# Altium PCB RTD_12POS_WPSv3.PcbDoc (part 4 of 4)
Units mm, origin at the board's own origin, x right, y up, seen from the top; angles counter-clockwise.
Board outline 122.3 x 122.04 mm, 2 copper layers (Top Layer, Bottom Layer); 327 components, 290 nets, 1265 pads, 672 vias.
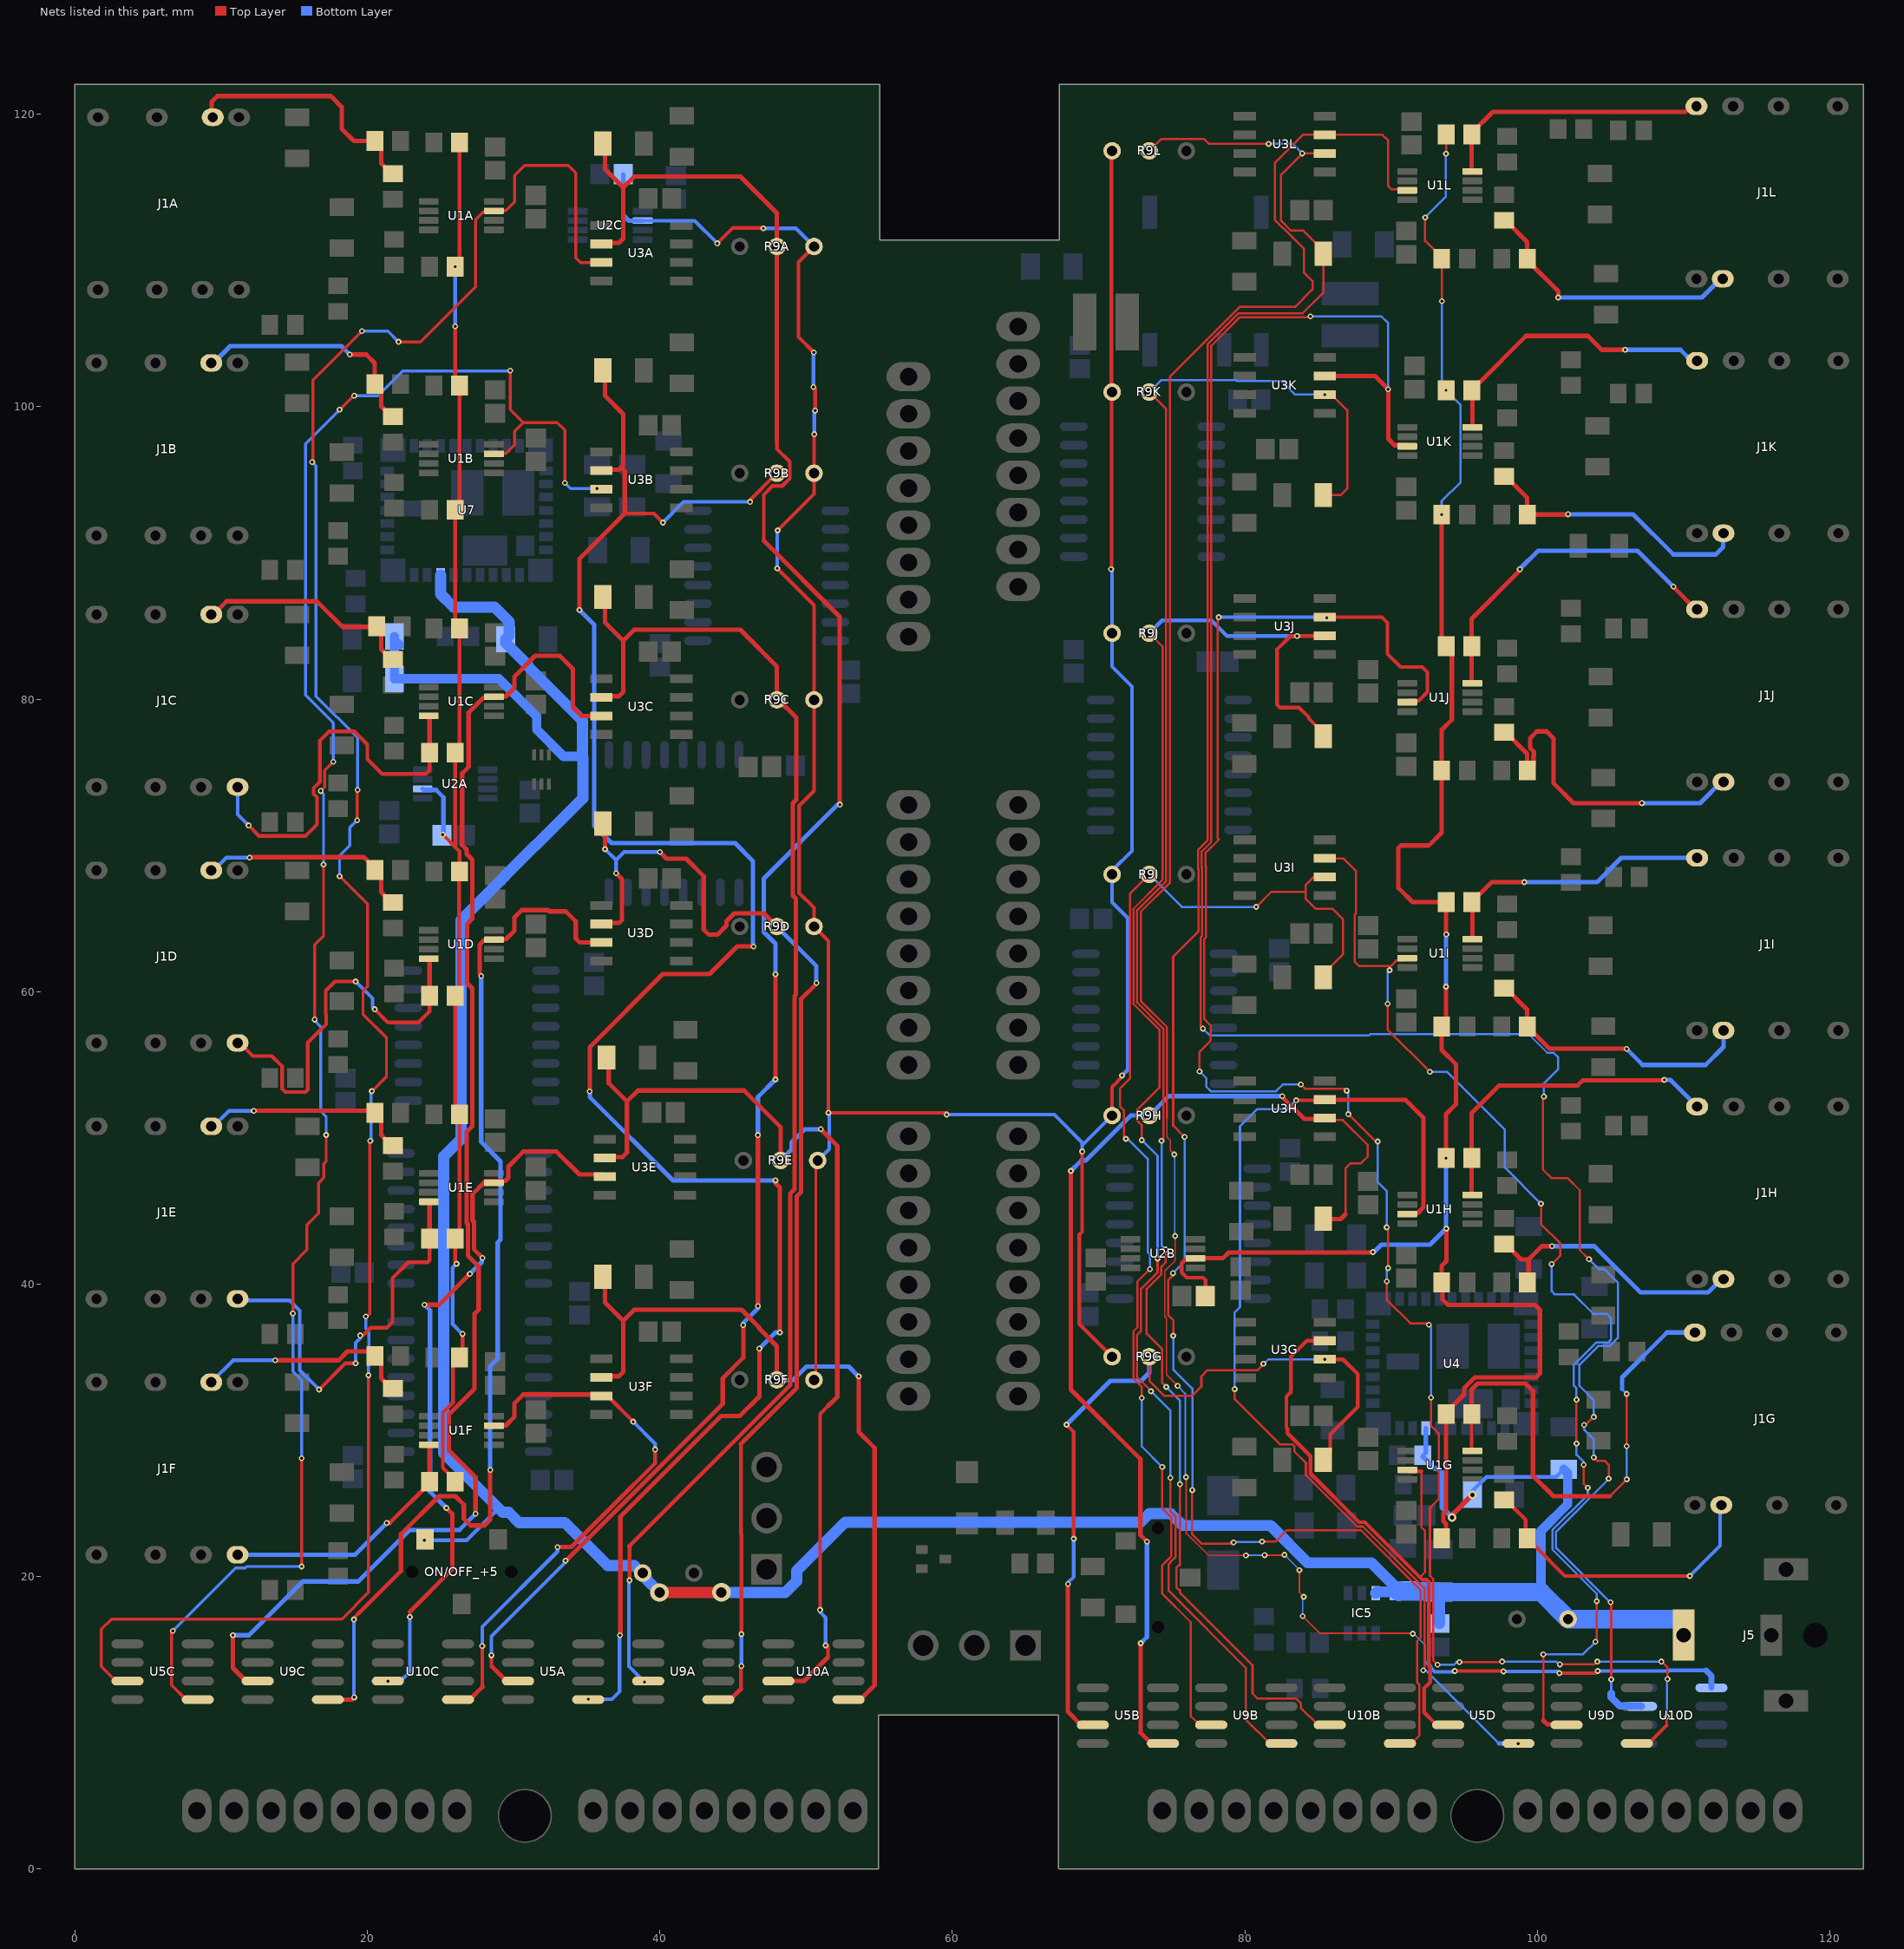
[diagram p4: the nets of this part, all layers, seen from the top]

## Via types
v1: diameter 0.4, hole 0.2, Top Layer to Bottom Layer, tented both sides, 569 vias
v2: diameter 0.6, hole 0.3, Top Layer to Bottom Layer, 59 vias
v3: diameter 0.6, hole 0.3, Top Layer to Bottom Layer, tented both sides, 42 vias
v4: diameter 1.27, hole 0.711, Top Layer to Bottom Layer, 2 vias

## Nets (pads, with @x,y where several pads share a name; then routed paths per layer and width w, separated by ;. In a path a pad name is that pad's centre, name@x,y a point inside that pad or via, vN(x,y) a via of type N, cw(c..) or ccw(c..) an arc to the next point about the centre after c; other vN are vias at no path point) (continued)
RTD+3: J1C.3 R2C.1 U1C.4 | length 27.8
  Top Layer w0.254: J1C.3@11.125,74 J1C.3@11.275,74 ; v1(11.875,71.375) 12.602,70.648 15.765,70.648 16.554,71.437 16.554,73.303 16.325,73.532 16.325,73.928 16.748,74.35 16.748,77.165 17.383,77.8 19.117,77.8 20,76.917 20,75.9 21,74.9 24,74.9 24.25,75.15 R2C.1@24.25,76.345
  Top Layer w0.305: U1C.4@24.2,78.87 24.25,78.82 R2C.1@24.25,76.345
  Bottom Layer w0.254: J1C.3@11.125,74 11.125,72.125 v1(11.875,71.375)
RTD+4: J1D.3 R2D.1 U1D.4 | length 27.3
  Top Layer w0.254: J1D.3@11.125,56.5 11.275,56.5 12.171,55.604 13.462,55.604 14.177,54.89 14.177,53.356 14.385,53.148 15.765,53.148 15.927,53.31 15.927,56.534 16.549,57.156 16.555,57.156 17.177,57.778 17.177,58.422 17.148,58.451 17.148,60.065 17.783,60.7 v1(19.2,60.7) ; v1(20.5,58.8) 21.4,57.9 23.5,57.9 24.25,58.65 R2D.1@24.25,59.73
  Top Layer w0.305: U1D.4@24.2,62.255 24.25,62.205 R2D.1@24.25,59.73
  Bottom Layer w0.254: v1(19.2,60.7) 20.357,59.542 20.357,58.943 v1(20.5,58.8)
RTD+5: J1E.3 R2E.1 U1E.4 | length 28.5
  Top Layer w0.254: v1(16.7,32.8) 18.5,34.6 v1(19.2,34.6) ; v1(19.5,36.5) 19.7,36.5 20.223,37.023 21.323,37.023 21.723,37.423 21.723,40.423 22.8,41.5 24.1,41.5 24.25,41.65 R2E.1@24.25,43.115
  Top Layer w0.305: U1E.4@24.2,45.64 24.25,45.59 R2E.1@24.25,43.115
  Bottom Layer w0.254: J1E.3@11.125,39 11.231,38.894 14.68,38.894 15.377,38.197 15.377,34.123 v1(16.7,32.8) ; v1(19.2,34.6) 19.2,35.998 19.5,36.298 v1(19.5,36.5)
RTD+6: J1F.3 R2F.1 U1F.4 | length 17.8
  Top Layer w0.305: v1(21.326,23.676) 21.526,23.676 24.25,26.4 R2F.1@24.25,26.5 24.25,28.975 U1F.4@24.2,29.025
  Bottom Layer w0.305: J1F.3@11.125,21.5 11.127,21.502 19.153,21.502 v1(21.326,23.676)
RTD+7: J1G.3 R2G.1 U1G.4 | length 35.4
  Top Layer w0.15: 104.95,25.5 v1(106.112,26.662) ; v1(106.1,28.925) v1(106.1,32.5)
  Top Layer w0.254: R2G.1@95.505,31.13 95.505,28.655 U1G.4@95.555,28.605
  Top Layer w0.305: R2G.1@95.505,31.13 95.505,32.805 95.92,33.22 99.18,33.22 99.7,32.7 99.7,26.9 101.1,25.5 104.95,25.5
  Bottom Layer w0.15: 105.8,32.825 106.1,32.525 v1(106.1,32.5) ; v1(106.1,28.925) 106.112,28.913 v1(106.112,26.662)
  Bottom Layer w0.305: 105.8,32.825 105.798,32.827 105.798,33.632 108.865,36.7 J1G.3@110.775,36.7
RTD+8: J1H.3 R2H.1 U1H.4 | length 22.7
  Top Layer w0.305: U1H.4@95.555,46.104 95.505,46.154 R2H.1@95.505,48.629 95.5,48.634 95.5,51.7 97.398,53.598 102.754,53.598 103.104,53.948 108.648,53.948 v1(108.674,53.974)
  Bottom Layer w0.305: v1(108.674,53.974) 109.101,53.974 J1H.3@110.925,52.15
RTD+9: J1I.3 R2I.1 U1I.4 | length 19.3
  Top Layer w0.305: U1I.4@95.555,63.603 95.555,66.078 R2I.1@95.505,66.128 95.505,66.228 95.928,66.651 96.028,66.651 96.877,67.5 v1(99.1,67.5)
  Bottom Layer w0.305: v1(99.1,67.5) 104.085,67.5 105.735,69.15 J1I.3@110.925,69.15
RTD+10: J1J.3 R2J.1 U1J.4 | length 23.6
  Top Layer w0.305: U1J.4@95.555,81.102 95.505,81.152 R2J.1@95.505,83.627 95.505,85.505 98.8,88.8 v1(98.8,88.9) ; v1(109.3,87.7) 109.3,87.674 110.824,86.15 J1J.3@110.925,86.15
  Bottom Layer w0.305: v1(98.8,88.9) 100.05,90.15 106.85,90.15 v1(109.3,87.7) ; J1J.3@110.775,86.15 J1J.3@110.925,86.15
RTD+11: J1K.3 R2K.1 U1K.4 | length 20.3
  Top Layer w0.305: U1K.4@95.555,98.601 95.555,101.076 R2K.1@95.505,101.126 95.505,101.226 95.928,101.649 96.028,101.649 99.224,104.845 103.455,104.845 104.402,103.898 105.998,103.898 v1(106,103.9)
  Bottom Layer w0.305: v1(106,103.9) 109.783,103.9 110.533,103.15 J1K.3@110.925,103.15
RTD+12: J1L.3 R2L.1 U1L.4 | length 18.8
  Top Layer w0.305: U1L.4@95.555,116.1 95.505,116.15 R2L.1@95.505,118.625 95.505,118.725 96.951,120.171 110.108,120.171 110.488,120.55 J1L.3@110.88,120.55
RTD-1: J1A.2 R4A.1 R5A.1 | length 17.3
  Top Layer w0.305: J1A.2@9.325,119.8 9.357,119.832 9.357,120.857 9.75,121.25 17.5,121.25 18.25,120.5 18.25,119 19.075,118.175 R5A.1@20.525,118.175 20.948,117.752 20.948,116.652 21.65,115.95 R4A.1@21.75,115.95
RTD-2: J1B.2 R4B.1 R5B.1 | length 16.4
  Top Layer w0.305: v1(18.8,103.575) 19.925,103.575 20.5,103 20.5,101.585 R5B.1@20.525,101.56 20.948,101.137 20.948,100.037 21.65,99.335 R4B.1@21.75,99.335
  Bottom Layer w0.305: J1B.2@9.325,103 9.475,103 10.625,104.15 18.225,104.15 v1(18.8,103.575)
RTD-3: J1C.2 R4C.1 R5C.1 | length 14.9
  Top Layer w0.305: J1C.2@9.475,85.8 10.377,86.702 16.548,86.702 18.305,84.945 20.525,84.945 20.948,84.522 20.948,83.422 21.65,82.72 R4C.1@21.75,82.72
RTD-4: J1D.2 R4D.1 R5D.1 | length 14.8
  Top Layer w0.305: v1(11.945,69.177) 11.97,69.202 19.753,69.202 20.525,68.43 R5D.1@20.525,68.33 20.948,67.907 20.948,66.807 21.65,66.105 R4D.1@21.75,66.105
  Bottom Layer w0.254: J1D.2@9.325,68.3 9.475,68.3 10.352,69.177 v1(11.945,69.177)
RTD-5: J1E.2 R4E.1 R5E.1 | length 14.5
  Top Layer w0.305: J1E.2@9.325,50.8 J1E.2@9.357,50.832 ; v1(12.233,51.857) 20.383,51.857 R5E.1@20.525,51.715 20.948,51.292 20.948,50.192 21.65,49.49 R4E.1@21.75,49.49
  Bottom Layer w0.254: J1E.2@9.325,50.8 9.475,50.8 10.532,51.857 v1(12.233,51.857)
RTD-6: J1F.2 R4F.1 R5F.1 | length 15.1
  Top Layer w0.305: J1F.2@9.325,33.3 J1F.2@9.475,33.3 ; v1(13.7,34.8) 18.035,34.8 18.637,35.402 20.223,35.402 R5F.1@20.525,35.1 20.948,34.677 20.948,33.577 21.65,32.875 R4F.1@21.75,32.875
  Bottom Layer w0.254: J1F.2@9.325,33.3 10.825,34.8 v1(13.7,34.8)
RTD-7: J1G.2 R4G.1 R5G.1 | length 21.3
  Top Layer w0.254: R4G.1@97.73,25.255 97.83,25.255 99.2,23.885 99.2,22.735 R5G.1@99.305,22.63 99.305,22.53 99.753,22.082 99.853,22.082 101.885,20.05 v1(110.425,20.05)
  Bottom Layer w0.254: v1(110.425,20.05) 112.5,22.125 112.5,24.825 J1G.2@112.575,24.9
RTD-8: J1H.2 R4H.1 R5H.1 | length 19.1
  Top Layer w0.305: R4H.1@97.73,42.754 97.83,42.754 98.884,41.7 99.4,41.7 ; R5H.1@99.305,40.129 99.4,40.224 99.4,41.7 ; v1(101,42.6) 100.3,42.6 99.4,41.7
  Bottom Layer w0.305: v1(101,42.6) 103.9,42.6 107.052,39.448 111.673,39.448 112.575,40.35 J1H.2@112.725,40.35
RTD-9: J1I.2 R4I.1 R5I.1 | length 19.5
  Top Layer w0.305: R4I.1@97.73,60.253 97.83,60.253 99.3,58.783 99.3,57.533 99.728,57.105 99.828,57.105 100.831,56.102 106.098,56.102 v1(106.1,56.1)
  Bottom Layer w0.305: v1(106.1,56.1) 107.202,54.998 111.498,54.998 112.725,56.225 J1I.2@112.725,57.35
RTD-10: J1J.2 R4J.1 R5J.1 | length 23.9
  Top Layer w0.305: R4J.1@97.73,77.752 97.83,77.752 99.3,76.282 99.3,75.032 99.728,75.46 99.728,76.066 99.755,76.094 99.755,76.41 99.498,76.668 99.498,77.332 99.968,77.802 100.632,77.802 101.102,77.332 101.102,75.802 101.098,75.798 101.098,74.268 102.465,72.9 v1(107.15,72.9)
  Bottom Layer w0.305: v1(107.15,72.9) 111.125,72.9 112.575,74.35 J1J.2@112.725,74.35
RTD-11: J1K.2 R4K.1 R5K.1 | length 19.1
  Top Layer w0.305: R4K.1@97.73,95.251 97.83,95.251 99.3,93.781 99.3,92.631 R5K.1@99.305,92.626 102.076,92.626 v1(102.1,92.65) ; J1K.2@112.7,91.325 J1K.2@112.725,91.35
  Bottom Layer w0.305: v1(102.1,92.65) 106.55,92.65 109.3,89.9 112.2,89.9 112.7,90.4 112.7,91.325 J1K.2@112.725,91.35
RTD-12: J1L.2 R4L.1 R5L.1 | length 18.8
  Top Layer w0.305: R4L.1@97.73,112.75 97.83,112.75 99.305,111.275 R5L.1@99.305,110.125 99.305,110.025 101.424,107.906 v1(101.424,107.476) ; J1L.2@112.53,108.75 J1L.2@112.68,108.75
  Bottom Layer w0.305: v1(101.424,107.476) 111.256,107.476 112.53,108.75 J1L.2@112.68,108.75
Vext: C7.1 C8.1 C9.1 C29.1 C30.1 C31.1 C32.2 C38.2 C39.2 C40.2 IC5.3 J5.1 ON/OFF_+5.3 R12.2 U4.26 U7.26 | length 219.4
  Top Layer w0.35: v2(94.175,24.05) 94.175,24.225 v2(95.55,25.6)
  Top Layer w0.762: v4(39.981,18.919) 44.194,18.919 v4(44.2,18.925)
  Bottom Layer w0.254: v1(23.9,22.5) 26.8,22.5 28.7,24.4 29.25,24.4 ; R12.2@92.175,28.2 R12.2@92.175,28.3 R12.2@92.375,28.5 ; v2(95.55,25.6) 95.55,25.85 96.527,26.827 101.277,26.827 C8.1@101.8,27.35
  Bottom Layer w0.35: R12.2@92.175,28.2 92.982,27.393 93.192,27.393 93.475,27.11 93.475,24.75 v2(94.175,24.05) ; R12.2@92.375,28.5 U4.26@92.375,30.145
  Bottom Layer w0.635: C31.1@21.85,84.3 C31.1@21.85,84.05 ; C31.1@22.183,83.717 C31.1@21.85,84.05 ; 34.7,76.1 33.4,76.1 31.57,77.93 31.57,78.83 29,81.4 C30.1@21.85,81.4 C31.1@21.85,84.05 ; 100.25,18.95 100.25,23.125 102.075,24.95 102.075,27.075 C8.1@101.8,27.35
  Bottom Layer w0.762: U7.26@25,88.5 25,87.2 25.9,86.3 28.7,86.3 29.7,85.3 C32.2@29.7,84.375 ; C32.2@29.45,84.1 29.45,83.85 30.964,82.336 30.964,82.261 34.7,78.525 34.7,76.1 34.731,76.069 34.731,73.229 31.49,69.988 31.463,69.988 29.431,67.956 29.431,67.931 26.4,64.9 26.4,49.928 25.217,48.745 25.217,28.433 29.25,24.4 29.662,24.4 30.362,23.7 33.5,23.7 36.435,20.765 38.265,20.765 39.1,19.93 39.1,19.8 v4(39.981,18.919) ; v4(44.2,18.925) 44.206,18.919 48.57,18.919 49.347,19.697 49.347,20.397 52.669,23.719 72.857,23.719 73.463,24.325 74.926,24.325 75.751,23.5 81.749,23.5 84.296,20.953 88.647,20.953 90.55,19.05 C39.2@90.8,19.05 C39.2@90.85,19 ; IC5.3@88.95,18.875 88.95,18.881 89.031,18.962 C39.2@90.535,18.962 ; C38.2@93.25,19 C38.2@93.3,18.95 C40.2@93.3,16.8 ; J5.1@109.631,17.1 110,16.731 J5.1@110,16
  Bottom Layer w1.27: C39.2@90.535,18.962 90.535,19.035 C39.2@90.55,19.05 ; C39.2@90.85,19 C38.2@93.25,19 ; C38.2@93.3,18.95 100.25,18.95 C7.1@102.1,17.1 J5.1@109.631,17.1
Vref1: C5A.2 R1A.2 R1B.2 R1C.2 R1D.2 R1E.2 R1F.2 R2A.2 R2B.2 R2C.2 R2D.2 R2E.2 R2F.2 U2A.6 | length 99.5
  Top Layer w0.254: v1(25.15,70.75) 26,69.9 ; R2F.2@26,26.5 26,26.6 25.152,27.448 25.152,31.209 25.852,31.909 25.852,34.552 R1F.2@26.3,35 26.5,35.2 v1(26.5,36.6) ; v1(26,105.5) 26,101.76 R1B.2@26.3,101.46 26.3,93.26 R2B.2@26,92.96 26,85.145 R1C.2@26.3,84.845 26.3,76.645 R2C.2@26,76.345 26,69.9 ; v1(26,109.575) 26.3,109.875 R1A.2@26.3,118.075 ; v1(26.1,41.4) 26,41.4 R2E.2@26,43.115 26.3,43.415 R1E.2@26.3,51.615 26,51.915 R2D.2@26,59.73 26.264,59.994 26.264,68.194 R1D.2@26.3,68.23 26.3,69.6 26,69.9
  Bottom Layer w0.254: v1(26,105.5) v1(26,109.575) ; v1(26.1,41.4) 25.825,41.125 25.825,37.275 v1(26.5,36.6)
  Bottom Layer w0.305: U2A.6@23.775,73.875 23.848,73.802 24.698,73.802 25.2,73.3 25.2,70.8 v1(25.15,70.75)
Vref2: C5B.2 R1G.2 R1H.2 R1I.2 R1J.2 R1K.2 R1L.2 R2G.2 R2H.2 R2I.2 R2J.2 R2K.2 R2L.2 U2B.6 | length 139
  Top Layer w0.15: v1(92.325,112.95) 92.325,111.355 93.455,110.225 R1L.2@93.455,110.125 93.475,110.105 v1(93.475,107.225) ; v1(93.75,117.3) 93.755,117.305 R2L.2@93.755,118.625
  Top Layer w0.254: U2B.6@76.625,41.775 76.527,41.677 75.914,41.677 75.673,41.436 75.673,40.814 76.037,40.45 77.15,40.45 77.3,40.3 C5B.2@77.3,39.2
  Top Layer w0.305: U2B.6@76.625,41.775 78.497,41.775 78.897,42.175 88.727,42.175 v1(88.756,42.203) ; R1G.2@93.455,22.63 93.748,22.922 93.748,23.625 93.573,23.8 93.573,24.3 93.748,24.475 93.748,31.122 R2G.2@93.755,31.13 93.755,31.23 95,32.475 95,32.9 95.725,33.625 99.9,33.625 100.175,33.9 100.175,38.25 99.85,38.575 93.9,38.575 93.525,38.95 93.525,40.059 R1H.2@93.455,40.129 93.455,41.261 93.775,41.581 v1(93.775,43.8) ; v1(93.455,92.626) 93.455,83.927 R2J.2@93.755,83.627 94.15,83.232 94.15,78.6 93.455,77.905 R1J.2@93.455,75.127 93.455,70.883 92.574,70.002 91.05,70.002 91.048,70 90.679,70 90.5,69.821 90.5,67.1 91.472,66.128 R2I.2@93.755,66.128 93.755,63.945 v1(93.775,63.925) ; v1(93.75,60.35) 93.75,57.973 93.775,57.948 R1I.2@93.455,57.628 93.455,56.02 94.425,55.05 94.425,52.298 93.755,51.628 v1(93.755,48.629)
  Bottom Layer w0.15: v1(92.325,112.95) 93.75,114.375 v1(93.75,117.3) ; v1(93.455,92.626) 93.455,93.555 94.75,94.85 94.75,100.131 v1(93.755,101.126) 93.755,101.248 93.475,101.528 v1(93.475,107.225)
  Bottom Layer w0.305: v1(88.756,42.203) 88.834,42.203 89.33,42.7 92.647,42.7 93.755,43.808 93.755,43.82 v1(93.755,48.629) ; v1(93.75,60.35) 93.75,63.9 v1(93.775,63.925)
Vref3: C5C.2 R9A.3 R9B.3 R9C.3 R9D.3 R9E.3 R9F.3 R9G.3 R9H.3 R9I.3 R9J.3 R9K.3 R9L.3 U2C.6 | length 204.7
  Top Layer w0.2: R9F.3@50.54,33.46 50.665,33.585 50.665,48.335 R9E.3@50.79,48.46
  Top Layer w0.254: v1(43.925,111.175) 44.975,112.225 47.05,112.225 v1(47.075,112.2) ; v1(48.025,88.95) 50.54,86.435 R9C.3@50.54,79.96 50.54,73.741 49.523,72.724 49.523,66.761 50.54,65.744 R9D.3@50.54,64.46 51.525,63.475 v1(51.525,51.725) 59.6,51.725 v1(59.6,51.6) ; v1(48.05,91.55) 50.54,94.04 R9B.3@50.54,95.46 50.545,95.465 50.545,98.12 v1(50.55,98.125) ; v1(50.5,101.35) 50.613,101.237 v1(50.613,99.737) ; v1(50.525,103.725) 49.475,104.775 49.475,109.895 R9A.3@50.54,110.96 ; v1(68.875,49.075) 68.875,43.591 68.675,43.391 68.675,37.285 R9G.3@70.92,35.04 ; v1(70.85,88.9) 70.885,88.935 70.885,101.043 70.873,101.055 70.873,117.453 R9L.3@70.92,117.5 ; R9H.3@70.92,51.532 70.92,53.485 71.297,53.862 71.297,53.879 71.6,54.181 v1(71.6,54.275)
  Bottom Layer w0.254: U2C.6@38.825,112.725 42.375,112.725 v1(43.925,111.175) ; v1(47.075,112.2) 49.3,112.2 R9A.3@50.54,110.96 ; v1(48.025,88.95) 48.025,91.525 v1(48.05,91.55) ; v1(50.5,101.35) 50.5,103.7 v1(50.525,103.725) ; v1(50.55,98.125) 50.55,99.675 v1(50.613,99.737) ; R9E.3@50.79,48.46 51.577,49.247 51.577,51.673 v1(51.525,51.725) ; v1(59.6,51.6) 66.966,51.6 68.875,49.691 68.875,49.487 ; v1(68.875,49.075) 68.875,49.487 ; v1(70.85,88.9) 70.92,88.83 R9J.3@70.92,84.516 70.92,82.23 72.275,80.875 72.275,69.635 70.92,68.28 R9I.3@70.92,68.024 70.92,66.122 72,65.042 72,54.675 v1(71.6,54.275) ; R9H.3@70.92,51.532 68.875,49.487
  Bottom Layer w0.305: C5C.2@37.5,115.9 37.5,113.1 37.875,112.725 U2C.6@38.825,112.725
Vrtd1: U1A.7 U3A.3 U5C.3 | length 147.5
  Top Layer w0.2: U5C.3@3.6,12.865 2.8,12.865 1.8,13.865 1.8,16.4 2.502,17.102 18.25,17.102 20.075,18.927 v1(20.075,33.775) ; v1(16.225,96.225) 16.275,96.275 16.275,101.825 v1(19.625,105.175) ; v1(18.1,67.9) 20.002,65.998 20.002,60.367 19.698,60.063 19.698,58.468 21.302,56.863 21.302,54.202 v1(20.3,53.2) ; v1(19.3,71.73) 19.3,73.775 v1(19.325,73.8) ; v1(19.9,37.8) 19.971,37.8 20.15,37.978 20.15,49.75 v1(20.2,49.8) ; v1(22.133,104.442) 23.642,104.442 27.4,108.2 27.4,112.799 27.929,113.327 28.577,113.327 U1A.7@28.65,113.4 28.669,113.419 29.464,113.419 30.06,114.015 30.06,115.81 30.75,116.5 33.75,116.5 34.25,116 34.25,110.179 34.564,109.865 35.804,109.865 35.895,109.956 U3A.3@35.987,109.865
  Bottom Layer w0.2: v1(16.225,96.225) 16.488,95.962 16.488,80.212 19.325,77.375 v1(19.325,73.8) ; v1(18.1,67.9) 18.1,69.309 18.802,70.011 18.802,71.232 v1(19.3,71.73) ; v1(19.625,105.175) 21.4,105.175 v1(22.133,104.442) ; v1(19.9,37.8) 19.9,36.952 20.102,36.75 20.102,35.6 20.075,35.573 v1(20.075,33.775) ; v1(20.2,49.8) 20.25,49.85 20.25,53.15 v1(20.3,53.2)
Vrtd2: U1B.7 U3B.3 U5C.5 | length 129.1
  Top Layer w0.2: v1(6.7,16.3) 6.6,16.2 6.6,12.595 7.6,11.595 U5C.5@8.4,11.595 ; v1(14.9,38) 14.9,41.389 15.861,42.35 15.861,44.055 16.668,44.862 16.668,46.915 17.027,47.275 17.027,48.235 17.177,48.384 v1(17.177,50.204) ; v1(15.5,20.7) v1(15.5,28.1) ; v1(16.4,58.1) 16.4,63.2 17,63.8 v1(17,68.7) ; v1(16.802,73.73) 17.075,74.003 17.075,75.125 v1(17.675,75.725) ; v1(18.1,99.8) 19.05,100.75 v1(19.1,100.75) ; U1B.7@28.65,96.785 28.669,96.804 29.464,96.804 30.06,97.4 30.06,98.32 30.657,98.916 ; v1(29.775,102.475) 29.775,99.798 30.657,98.916 ; v1(33.5,94.8) 33.5,98.4 32.984,98.916 30.657,98.916 ; v1(35.7,94.4) 35.952,94.4 U3B.3@35.987,94.365
  Bottom Layer w0.2: v1(6.7,16.3) 10.998,20.598 11.649,20.598 11.751,20.7 v1(15.5,20.7) ; v1(14.9,38) 14.9,34.025 15.5,33.425 v1(15.5,28.1) ; v1(16.4,58.1) 16.4,58.02 16.802,57.617 16.802,51.847 17.177,51.473 v1(17.177,50.204) ; v1(16.802,73.73) 17,73.532 v1(17,68.7) ; v1(17.675,75.725) 17.675,78.382 15.775,80.282 15.775,97.475 v1(18.1,99.8) ; v1(19.1,100.75) 20.725,100.75 22.425,102.45 29.75,102.45 v1(29.775,102.475) ; v1(33.5,94.8) 33.9,94.4 v1(35.7,94.4)
Vrtd3: U1C.7 U3C.3 U9C.3 | length 96.4
  Top Layer w0.305: v1(10.8,16) 10.8,13.765 11.7,12.865 U9C.3@12.5,12.865 ; v1(27.4,24.3) 27.4,26.8 25.581,28.619 25.581,31.102 27.327,32.848 27.327,37.979 27.602,38.254 27.602,41.227 26.877,41.952 26.877,44.095 26.787,44.185 26.787,50.424 27.177,50.815 27.177,60.23 26.821,60.586 26.821,64.63 27.177,64.986 27.177,69.03 26.787,69.421 26.787,69.72 26.475,70.032 26.475,74.925 26.925,75.375 26.925,79.094 27.929,80.097 28.577,80.097 U1C.7@28.65,80.17 28.669,80.189 29.464,80.189 30.06,80.785 30.06,81.558 31.48,82.977 33.15,82.977 34.058,82.069 34.058,79.442 34.635,78.865 35.804,78.865 35.895,78.956 U3C.3@35.987,78.865
  Bottom Layer w0.305: v1(10.8,16) 11.9,16 15.575,19.675 19.375,19.675 22.9,23.2 26.3,23.2 v1(27.4,24.3)
Vrtd4: U1D.7 U3D.3 U9C.5 | length 74.8
  Top Layer w0.254: v1(19.075,17.075) 19.075,17.175 19.413,17.512
  Top Layer w0.305: U9C.5@17.3,11.595 18.945,11.595 v1(19.1,11.75) ; 19.413,17.512 22.292,20.392 22.292,22.907 24.887,25.502 26.024,25.502 26.598,24.929 26.598,23.968 27.068,23.498 27.998,23.498 28.4,23.9 v1(28.4,27.3) ; v1(27.778,61.079) 27.778,61.159 27.673,61.264 27.673,63.226 27.929,63.482 28.577,63.482 U1D.7@28.65,63.555 28.669,63.574 29.464,63.574 30.06,64.17 30.06,65.09 30.553,65.582 32.35,65.582 32.435,65.498 33.566,65.498 34.25,64.814 34.25,63.635 34.52,63.365 35.804,63.365 35.895,63.456 U3D.3@35.987,63.365
  Bottom Layer w0.254: v1(19.075,17.075) 19.075,11.775 v1(19.1,11.75)
  Bottom Layer w0.305: v1(27.778,61.079) 27.778,49.73 29.102,48.405 29.102,43.055 28.906,42.859 28.906,34.902 28.4,34.396 v1(28.4,27.3)
Vrtd5: U1E.7 U3E.3 U10C.3 | length 50.3
  Top Layer w0.254: v1(22.9,17.25) 22.9,17.6
  Top Layer w0.305: 22.9,17.6 25.8,20.5 25.8,24.3 v1(25.4,24.7) ; v1(23.9,38.6) 24.9,38.6 v1(27,40.7) ; v1(27.878,41.803) 27.282,42.399 27.282,44.262 27.192,44.353 27.192,46.161 28.094,47.063 29.421,47.063 29.627,47.269 29.627,48.042 30.657,49.071 32.929,49.071 34.5,47.5 36.102,47.5 U3E.3@36.237,47.365
  Bottom Layer w0.254: v1(21.4,12.865) 22.265,12.865 22.9,13.5 v1(22.9,17.25)